# KiCad board Lotus58_Glow_125.kicad_pcb (continued)
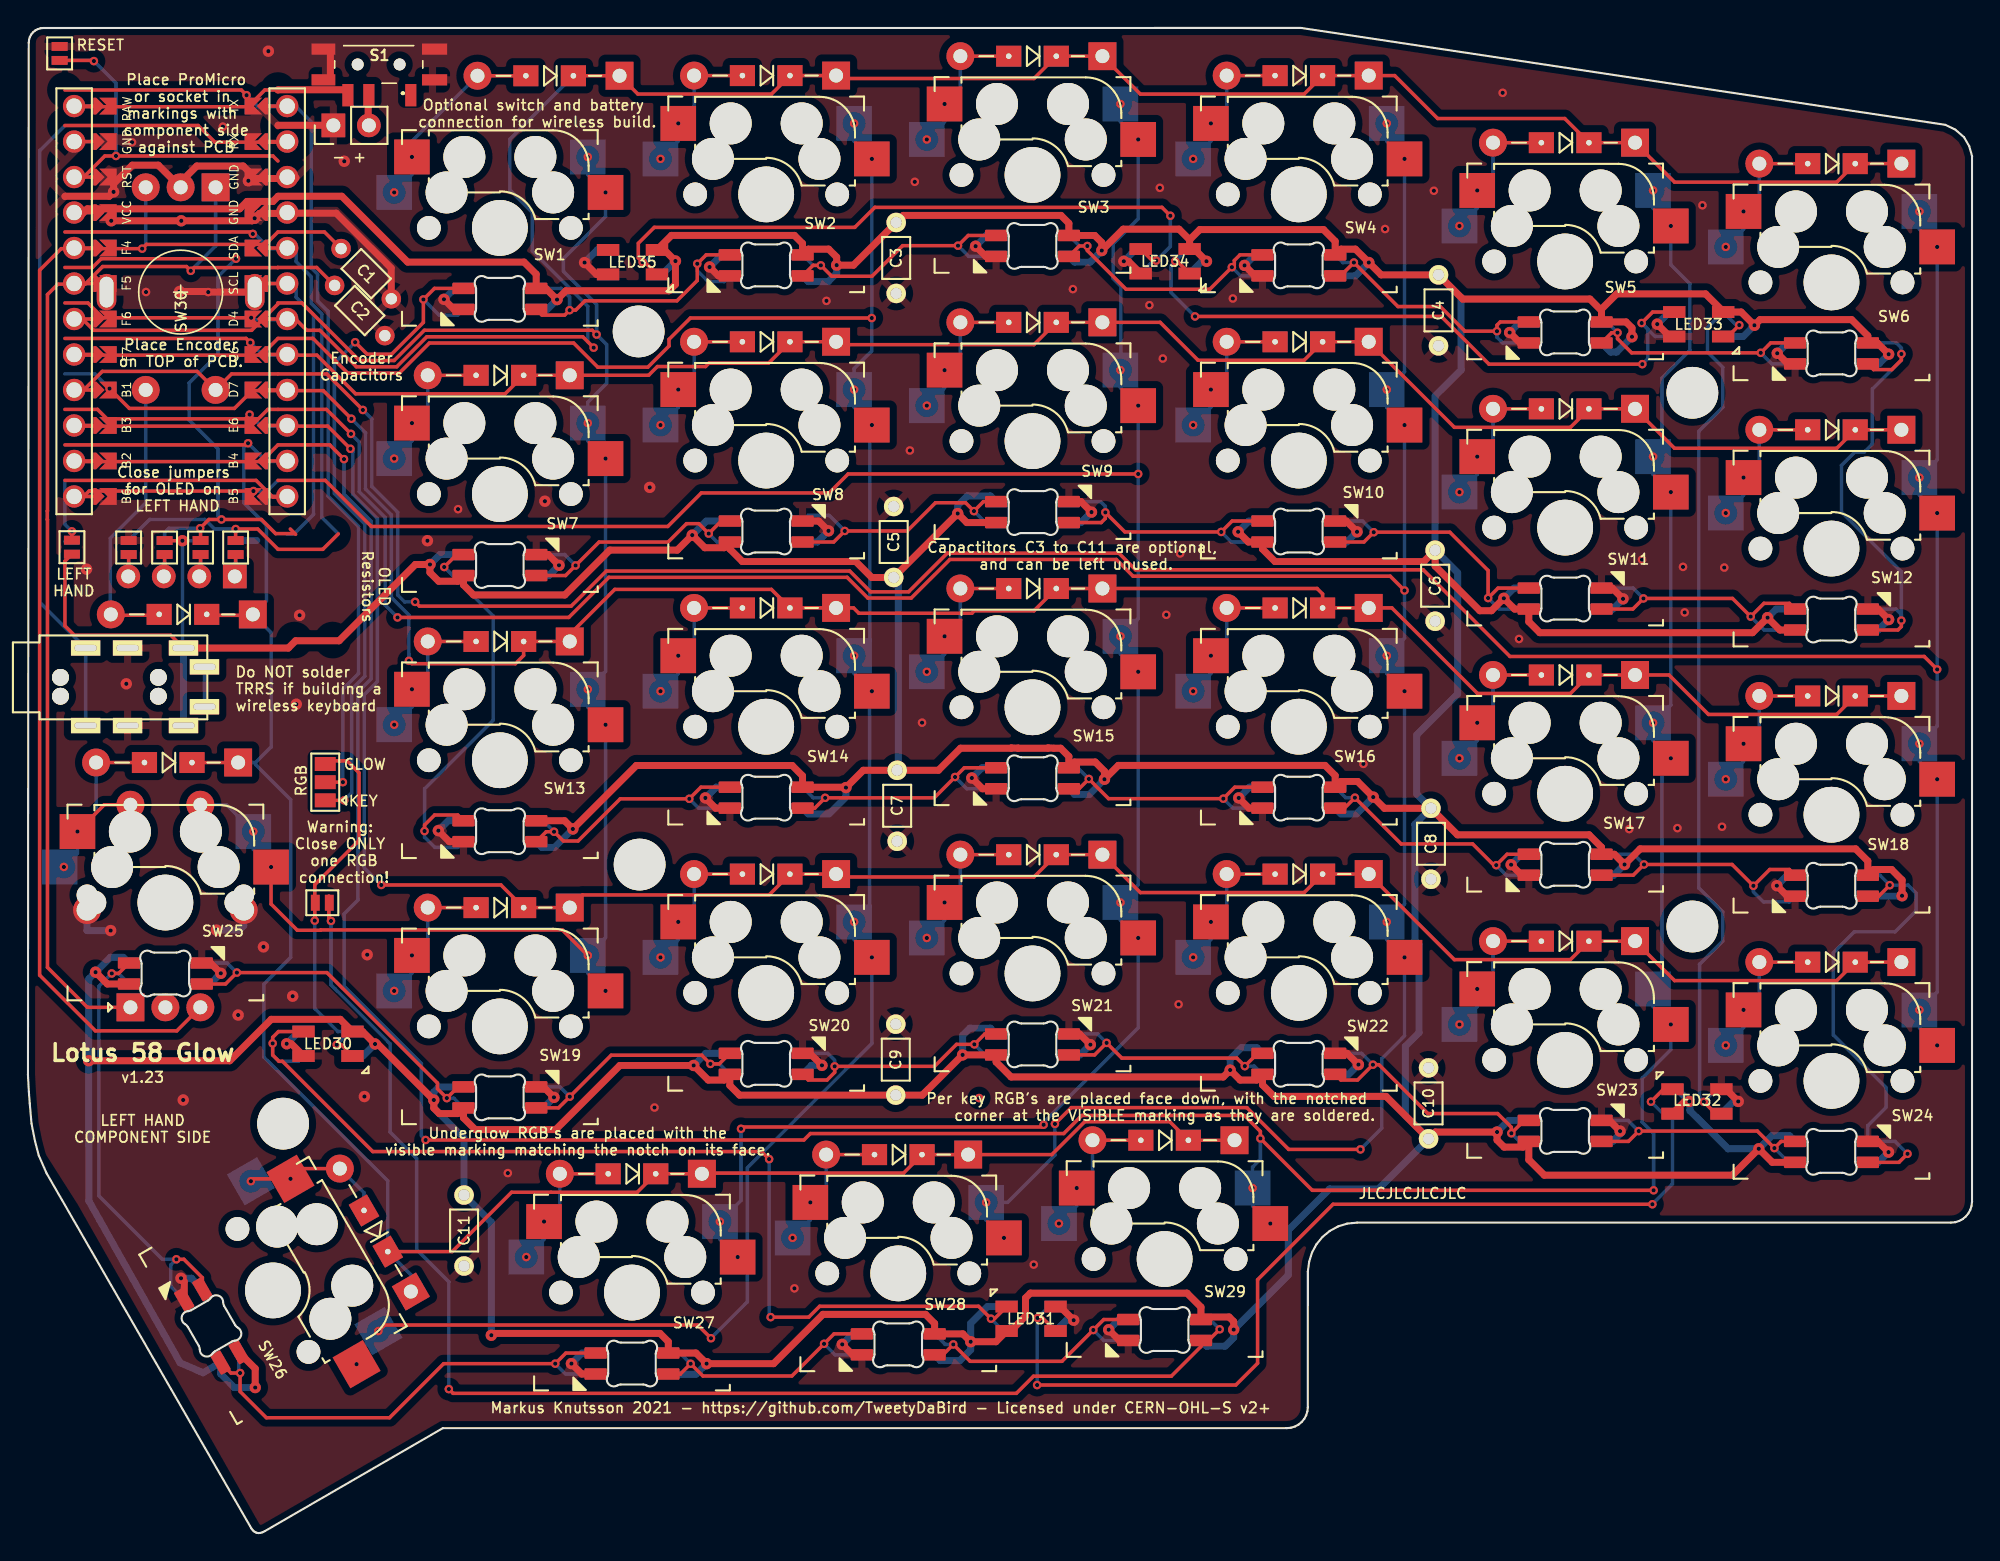
[diagram p0: board, top side]
## Routing (per net, layer and track width the routed paths; a pad name or vN(x,y) marks a point on that pad's centre or on a via; arc(x,y) is an arc through that point)
GND: length 137.7
  Top w0.25: 7.26,71.09 JP12.2
  Top w0.5: LED30.2 18.84,35.02 v2(18.51,35.02) ; v2(29.36,50.27) 30.15,49.48 LED13.3 ; v2(95.17,33.53) 94.36,34.33 LED22.3 ; v2(87.02,90.73) 87.77,89.98 LED4.3 ; LED9.3 75.33,73.82 v2(76.08,73.07) ; v2(56.8,33.47) 55.94,34.33 LED20.3 ; LED19.3 36.88,31.93 v2(37.62,31.18) ; LED7.3 37.22,70.03 v2(37.98,69.27) ; J2.1 21.84,100.76 17.9,100.76 17.88,100.74 ; LED32.2 121.46,31.77 v2(122.34,30.89) ; v2(13.8,40.06) 13.06,40.8 LED25.3 ; v2(78.39,91.03) 78.72,91.03 LED34.2 ; v2(67.51,54.04) 68.28,53.27 LED15.3 ; v2(48.76,90.62) 49.39,89.98 LED2.3 ; v2(29.76,88.3) 30.48,87.58 LED1.3 ; v2(116.54,86.53) 117.42,85.64 LED33.2 ; v2(39.81,90.93) 40.66,90.09 LED35.2 ; v2(10.95,18.24) 11.18,18.01 LED26.3 ; v2(114.1,66.87) 113.33,67.63 LED11.3 ; LED24.3 132.32,28.03 v2(133.08,27.27) ; v2(125.1,46.33) 125.85,45.58 LED18.3 ; v2(57.26,71.73) 56.56,72.43 LED8.3 ; LED3.3 68.52,91.37 v2(67.79,92.11) ; LED31.2 73.82,16.21 v2(74.8,15.23) ; v2(113.89,28.77) 113.12,29.53 LED23.3 ; v2(105.98,85.92) 106.73,85.18 LED5.3 ; 21.64,104.06 21.64,106.16 ; LED14.3 49.19,51.88 v2(48.45,52.62) ; LED6.3 125.88,83.68 v2(125.13,84.44) ; LED29.3 78.07,13.78 v2(77.3,14.55) ; v2(95.07,71.67) 94.3,72.43 LED10.3 ; LED16.3 87.34,51.88 v2(86.61,52.62) ; v2(38.87,12.13) 39.62,11.38 LED27.3 ; v2(106.09,47.84) 106.84,47.08 LED17.3 ; v2(75.99,34.96) 75.23,35.72 LED21.3 ; v2(133.1,65.38) 132.35,66.13 LED12.3 ; LED28.3 58.99,12.76 v2(58.24,13.5)
  Bottom w0.25: 14.88,71.06 JP5.2
  Bottom w0.5: v2(5.92,43.12) 4.23,43.12 4.23,43.13 4.23,43.83 ; v2(76.08,73.07) 75.33,72.32 LED9.3 ; v2(133.08,27.27) 132.35,26.53 LED24.3 ; LED32.2 122.01,30.89 v2(122.34,30.89) ; LED14.3 49.22,53.38 v2(48.45,52.62) ; JP5.2 16.37,71.04 ; v2(29.36,50.27) 30.06,50.98 LED13.3 ; LED30.2 19.38,35.89 v2(18.51,35.02) ; LED27.3 39.63,12.88 v2(38.87,12.13) ; v2(95.17,33.53) 94.47,32.83 LED22.3 ; v2(125.13,84.44) 125.87,85.18 LED6.3 ; v2(113.89,28.77) 113.89,28.56 113.36,28.03 LED23.3 ; v2(10.95,18.24) 11.69,18.24 LED26.3 ; LED2.3 49.62,91.48 v2(48.76,90.62) ; v2(133.1,65.38) 132.35,64.63 LED12.3 ; LED10.3 94.34,70.93 v2(95.07,71.67) ; LED34.2 79.26,91.9 v2(78.39,91.03) ; v2(125.1,46.33) 125.84,47.08 LED18.3 ; v2(106.09,47.84) 106.84,48.58 LED17.3 ; 15.43,43.83 15.43,43.47 15.12,43.15 v2(13.48,43.15) ; v2(29.76,88.3) 30.53,89.08 LED1.3 ; LED20.3 56.04,33.47 v2(56.8,33.47) ; LED15.3 68.24,54.77 v2(67.51,54.04) ; LED7.3 37.25,68.53 v2(37.98,69.27) ; v2(77.3,14.55) 78.04,15.28 LED29.3 ; v2(105.98,85.92) 106.74,86.68 LED5.3 ; v2(37.62,31.18) 36.88,30.43 LED19.3 ; LED35.2 40.72,91.84 v2(39.81,90.93) ; LED16.3 87.38,53.38 v2(86.61,52.62) ; LED3.3 68.55,92.87 v2(67.79,92.11) ; LED28.3 59,14.26 v2(58.24,13.5) ; LED11.3 113.36,66.13 v2(114.1,66.87) ; v2(57.26,71.73) 56.47,70.93 LED8.3 ; v2(87.02,90.73) 87.77,91.48 LED4.3 ; LED31.2 74.28,15.23 v2(74.8,15.23) ; LED21.3 75.26,34.22 v2(75.99,34.96) ; v2(116.54,86.53) 117.41,87.39 LED33.2 ; LED25.3 13.03,39.3 v2(13.8,40.06)
  vias: v1(7.45,99.54) v1(8.45,88.82) v1(13.95,100.66) v1(30.77,73.28) v1(34.33,25.76) v1(44.81,30.45) v1(54.83,17.51) v1(57.11,88.19) v1(63.08,77.48) v1(63.44,96.71) v1(63.95,58) v1(71.95,19.21) v1(74.74,89.03) v1(80.22,87.88) v1(80.97,96.28) v1(81.17,84.06) v1(81.42,65.72) v1(82.3,37.84) v1(82.42,70.11) v1(86.19,88.36) v1(95.52,55.05) v1(97.08,93.33) v1(100.57,96.07) v1(105.48,103.08) v1(106.66,63.99) v1(114.54,50.38) v1(115.45,69.67) v1(117.98,50.45) v1(118.39,69.15) v1(118.51,65.89) v1(119.77,95.03) v1(121.17,50.55) v1(121.33,69.1) v2(4.19,68.99) v2(7.04,60.78) v2(11.11,30.99) v2(15.04,37.07) v2(16.84,41.95) v2(17.2,106.06) v2(18.94,38.42) v2(19.2,59.32) v2(19.43,65.69) v2(22.62,98.18) v2(24.06,31.24) v2(24.27,41.39) v2(28.58,71.02) v2(36.98,73.85) v2(44.48,74.84)
VCC: length 931.1
  Top w0.25: v2(11.05,71.02) 9.79,71.02 JP11.2 9.8,71.06 ; J1.T 10.21,64.26 3.31,64.26 2.64,64.93 2.64,69.56 JP3.2
  Top w0.5: v2(5.95,93.92) v2(10.97,93.92) 16.04,93.92 v2(16.22,94.1) 16.56,94.45 19.16,94.45 19.18,94.47 22.05,94.47 25.98,90.53 25.98,88.35 25.99,88.34 ; LED9.1 67.16,72.32 v2(66.51,72.97) C5.1 60.36,68.39 59.21,69.54 51.1,69.54 50.2,70.43 LED8.1 49.8,70.52 48.42,70.52 v2(47.52,71.42) 46.45,70.35 41.62,70.35 38.4,67.14 31.87,67.14 31.16,67.86 LED7.1 30.75,68.12 29.38,68.12 28.76,68.75 v2(28.76,69.32) 27.72,69.32 22.26,63.86 19.15,63.86 18.63,63.34 J1.T ; LED25.1 5.68,39.3 v2(4.84,40.14) ; LED13.1 38.39,50.98 v2(38.98,50.39) 43.52,54.94 54.66,54.94 55.41,54.2 LED14.1 58.48,53.38 v2(58.51,53.36) 59.75,54.59 65.13,54.59 66.7,56.17 70.32,56.17 70.34,56.19 70.83,56.18 70.83,56.17 72.95,56.17 72.98,56.2 73.39,56.17 73.87,56.17 74.45,55.59 LED15.1 74.86,55.18 76.34,55.18 77,54.53 v2(77,53.95) 77.99,54.94 92.78,54.94 93.51,54.22 LED16.1 93.92,53.79 95.11,53.79 v2(96.23,52.68) 97.03,51.87 C8.1 102.25,49.98 111.67,49.98 112.55,49.09 LED17.1 113.47,48.58 v2(114.2,47.85) 115.32,48.97 130.73,48.97 131.61,48.1 LED18.1 132.01,47.49 133.3,47.49 134.05,46.74 v2(134.05,45.61) ; 3.94,94.47 4.25,94.78 15.14,94.78 15.67,95.31 17.53,95.31 17.9,95.68 22.45,95.68 27.16,90.97 35.48,90.97 36.36,90.1 LED1.1 37.05,89.08 v2(37.84,88.28) 38.48,88.91 45.85,88.91 46.31,89.37 v2(46.31,91.04) 45.52,91.84 LED35.4 46.03,92.88 54.82,92.88 55.41,92.3 LED2.1 55.82,91.89 57.28,91.89 57.85,91.32 v2(57.85,90.75) 59.05,90.75 C3.1 62.61,94.31 73.89,94.31 74.45,93.75 LED3.1 76.3,92.87 76.81,92.37 v2(76.81,91.79) 78.34,93.32 82.34,93.32 83.09,92.57 ; LED5.1 112.55,87.5 111.73,88.32 102.63,88.32 C4.1 96.79,90.05 v2(95.91,90.94) 94.95,91.89 93.92,91.89 LED4.1 93.51,92.46 92.67,93.3 83.82,93.3 83.09,92.57 ; LED5.1 112.55,87.6 113.64,88.69 120,88.69 121.26,87.43 LED33.4 122.55,87.39 v2(123.49,86.44) 123.9,86.85 130.44,86.85 131.61,85.69 LED6.1 132.29,85.18 v2(133.1,84.37) ; LED5.1 114.31,86.68 114.73,86.26 v2(114.73,85.62) ; LED12.1 125.32,64.63 v2(124.43,65.52) 123.36,64.44 108.14,64.44 107.36,65.23 LED11.1 106.34,66.13 v2(105.57,66.9) 104.68,66.01 103.86,66.01 100.66,69.21 C6.1 99.85,69.54 89.2,69.54 88.3,70.43 LED10.1 87.3,70.93 v2(86.57,71.67) ; v2(4.34,33.8) 14.44,33.8 17.4,36.77 22.34,36.77 LED30.4 23.93,35.89 v2(24.83,35) 25.02,35 v2(29.03,30.99) 29.03,30.42 29.42,30.02 30.75,30.02 LED19.1 31.16,29.71 31.99,28.88 37.75,28.88 42.34,33.47 v2(47.62,33.47) 48.66,32.42 49.8,32.42 LED20.1 50.2,32.04 50.9,31.34 C9.1 63.98,31.34 v2(66.86,34.22) LED21.1 69.26,33.71 70.33,32.64 85.5,32.64 v2(85.99,33.14) 86.71,32.42 87.89,32.42 LED22.1 88.3,32.08 89.13,31.25 97.14,31.25 C10.1 100.67,28.7 v2(105.08,28.7) 105.08,28.13 105.59,27.62 106.95,27.62 LED23.1 107.36,26.72 108.46,25.61 121.92,25.61 v2(123.8,27.5) 124.77,26.53 LED24.1 ; v2(118.84,30.89) 118.5,30.89 LED32.4 ; 83.09,92.57 LED34.4 83.42,91.9 v2(84.3,91.03) ; LED26.1 16.26,11.77 v2(16.26,10.41) ; 2.64,95.66 2.66,95.68 5.81,95.68 v2(6.12,95.99) 6.12,96.57 7.46,97.9 9.33,97.9 10.91,96.32 10.92,96.32 10.92,96.69 12.08,97.84 15.4,97.84 15.77,97.47 v2(15.77,96.79) 15.93,96.95 19.12,96.95 19.18,97.01 ; v2(86.25,14.56) 86.25,15.14 85.92,15.46 84.08,15.46 LED29.1 83.91,16.17 82.91,17.17 71.7,17.17 71.36,16.82 71.36,15.52 70.29,14.46 LED31.4 69.24,13.69 v2(67.44,13.69) 66.87,14.26 LED28.1 64.85,15 64.2,15.65 56.87,15.65 53.33,12.12 v2(48.55,12.12) 47.79,12.88 LED27.1 45.81,13.7 45.21,14.29 33.28,14.29 v2(33.14,14.16)
  Bottom w0.25: 12.34,71.05 JP6.2 12.33,71.02 v2(11.05,71.02) 11.05,63.42 J1.T
  Bottom w0.5: LED3.1 74.86,90.96 75.98,90.96 v2(76.81,91.79) ; v2(124.43,65.52) 125.05,66.13 LED12.1 ; C4.1 102.52,88.43 102.52,83.24 100.66,81.38 C6.1 102.27,68.73 102.27,60.05 99.34,57.13 99.34,52.89 C8.1 99.21,50.73 99.21,42.42 99.51,42.12 99.51,35.81 98.52,34.83 98.52,29.87 C10.1 96.61,24.63 93.11,24.63 90.16,21.68 90.16,18.47 v2(86.25,14.56) 86.25,13.99 85.63,13.37 84.32,13.37 LED29.1 ; v2(95.91,90.94) 94.96,89.98 LED4.1 ; LED5.1 113.21,84.53 113.64,84.53 v2(114.73,85.62) ; LED24.1 125.99,28.44 124.75,28.44 v2(123.8,27.5) 121.61,27.5 118.88,30.23 118.88,30.85 v2(118.84,30.89) 117.96,31.77 LED32.4 ; v2(58.51,53.36) 58.51,52.68 57.3,51.47 55.82,51.47 LED14.1 ; LED18.1 134.02,45.58 v2(134.05,45.61) ; v2(105.08,28.7) 105.92,29.53 LED23.1 ; v2(48.55,12.12) 47.79,11.36 45.82,11.36 LED27.1 ; v2(38.98,50.39) 37.65,49.07 36.77,49.07 LED13.1 ; LED2.1 55.82,89.57 57.25,89.57 57.85,90.17 v2(57.85,90.75) ; LED11.1 106.3,67.63 v2(105.57,66.9) ; v2(16.26,10.41) 14.77,10.41 13.78,11.4 LED26.1 12.53,11.47 12.31,11.56 10.89,12.18 5.15,22.37 4.36,23.77 v2(4.34,33.8) 4.34,39.65 v2(4.84,40.14) 5.9,41.21 6.82,41.21 LED25.1 ; v2(96.23,52.68) 95.03,51.47 93.92,51.47 LED16.1 ; LED33.4 122.69,85.64 v2(123.49,86.44) ; v2(24.83,35) 23.97,34.14 LED30.4 ; v2(37.84,88.28) 37.14,87.58 LED1.1 ; v2(85.99,33.14) 85.99,33.93 86.81,34.74 87.89,34.74 LED22.1 ; v2(84.3,91.03) 83.97,91.03 LED34.4 ; v2(77,53.95) 75.91,52.86 74.86,52.86 LED15.1 ; LED6.1 132.4,83.68 v2(133.1,84.37) ; LED20.1 48.49,34.33 v2(47.62,33.47) ; C5.1 62.26,68.06 62.26,54.67 C7.1 ; v2(86.57,71.67) 87.33,72.43 LED10.1 ; LED28.1 65.26,12.35 66.66,12.35 67.44,13.12 v2(67.44,13.69) 67.44,15.01 68.63,16.21 LED31.4 ; v2(46.31,91.04) 45.36,90.09 LED35.4 ; v2(66.86,34.22) 66.86,35.62 67.37,36.13 68.85,36.13 LED21.1 ; v2(28.76,69.32) 29.47,70.03 LED7.1 ; LED17.1 113.44,47.08 v2(114.2,47.85) ; LED8.1 48.53,72.43 v2(47.52,71.42) ; v2(66.51,72.97) 66.51,73.55 67.19,74.23 68.85,74.23 LED9.1 ; v2(33.14,14.16) 33.14,22.25 C11.1 31.2,28.25 29.03,30.42 v2(29.03,30.99) 29.03,31.57 29.4,31.93 LED19.1 ; J1.T J1.T
(no net):
  vias: v1(68.04,31.13)
/Batt: length 2.5
  Top w0.5: J2.2 24.34,100.8 24.34,103.26
A: length 84.1
  Top w0.25: SW31.A 4.25,37.63 1.4,40.48 1.4,72.54 1.38,72.55 1.38,73.15 1.4,73.16 1.4,88.64 2.14,89.39 4.08,89.39 5.34,90.65 11.34,90.65 v1(11.65,90.34) 11.88,90.57 17.87,90.57 17.88,90.58 20.65,90.58 C2.2
  Bottom w0.25: SW30.A 13.42,92.12 v1(11.65,90.34)
Alt: length 16.5
  Top w0.25: SW31.S2 5.46,52.13 v1(3.54,50.21) ; D25.2 4.88,55.15 D25.2
  Bottom w0.25: v1(2.57,47.68) 3.54,48.65 v1(3.54,50.21) 4.87,51.54 D25.2
B: length 130.7
  Top w0.25: 2.64,93.12 15.95,93.12 v1(16.09,92.98) ; SW31.B 10.65,35.94 4.83,35.94 0.83,39.93 0.83,90.39 2.38,91.93 v1(8.17,91.93) 8.47,92.23 16.99,92.23 17.88,93.12 21.21,93.12 C1.1
  Bottom w0.25: SW30.B 8.42,92.18 v1(8.17,91.93) ; 22.2,71.51 21.02,72.69 21.02,87.25 20.27,88.01 20.27,89.91 19.18,91 19.18,91.93 17.28,91.93 16.23,92.98 v1(16.09,92.98)
Battery: length 88.4
  Top w0.25: 2.64,103.28 15.27,103.28 v1(15.64,102.91) ; 17.88,103.28 16.94,103.28 15.74,102.09 3.94,102.09 ; 21.27,53.74 v1(22.53,53.74)
  Top w0.5: 17.88,103.28 17.9,103.3 22.8,103.3 22.84,103.26
  Bottom w0.25: v1(15.64,102.91) 16.46,102.09 19.18,102.09 20.27,101 20.27,90.55 20.72,90.1 20.72,88.19 21.47,87.44 21.47,74.22 23.65,72.04 23.65,61.51 22.53,60.39 v1(22.53,53.74)
col0: length 217
  Top w0.25: v1(23.95,80.38) 21.38,82.96 14.57,82.96 SW30.S2 12.1,83.14 5.32,83.14 3.94,81.77 ; v1(136.56,61.81) 135.64,62.74 106.01,62.74 99.8,68.95 79.22,68.95 78.03,70.13 65.76,70.13 63,67.37 60.27,67.37 58.78,68.85 41.37,68.85 38.86,66.34 28,66.34 v1(27.69,66.65)
  Bottom w0.25: v1(27.69,66.65) 26.94,66.65 26.45,67.14 26.45,73.06 24.59,74.91 24.59,79.74 v1(23.95,80.38) ; v1(136.56,34.9) 135.3,36.17 v1(135.3,37.44) 136.56,38.71 v1(136.56,53.95) 135.3,55.22 v1(135.3,56.49) 136.56,57.76 v1(136.56,61.81) v1(136.56,73) 135.3,74.27 v1(135.3,75.54) 136.56,76.81 v1(136.56,92.05) 135.3,93.32 v1(135.3,94.59)
col3: length 208
  Top w0.25: 3.94,74.15 4.37,74.58 v1(16.13,74.58) ; v1(79.42,75.8) 58.67,75.8 57.31,74.45 48.17,74.45 45.77,72.05 24.56,72.05 21.27,75.34 17.88,75.34 ; v1(51.01,28.93) 51.14,29.06 72.49,29.06 v1(72.65,29.22) ; 2.64,75.34 16.32,75.34 17.51,74.15 19.18,74.15
  Bottom w0.25: v1(72.65,29.22) 72.65,29.39 79.42,36.16 v1(79.42,42.59) 78.14,43.86 v1(78.14,45.13) 79.42,46.4 v1(79.42,61.64) 78.14,62.91 v1(78.14,64.18) 79.42,65.45 v1(79.42,75.8) v1(79.42,80.69) 78.14,81.96 v1(78.14,83.23) 78.18,83.27 78.18,89.22 77.62,89.78 77.62,92.27 79.42,94.07 v1(79.42,99.74) 78.14,101.01 v1(78.14,102.28) ; 17.88,75.34 17.12,74.58 v1(16.13,74.58) ; v1(51.01,28.93) 51.01,23.8 v1(49.49,22.29) 49.49,21.02 v1(50.77,19.75)
DATA: length 62.1
  Top w0.25: 19.18,99.55 13.37,99.55 12.17,100.74 2.64,100.74
  Bottom w0.25: J1.R2 J1.R2 0.84,66.63 0.84,98.95 2.64,100.74
Hand: length 5.2
  Top w0.25: JP3.1 3.14,71.69 v1(3.15,71.69)
  Bottom w0.25: 2.67,70.96 2.64,70.98 ; 2.64,75.34 2.64,72.2 v1(3.15,71.69) 3.14,71.69 JP3.1
RESET: length 27.1
  Top w0.25: 3.94,97.01 5.5,98.56 v1(6.3,98.56) 17.52,98.56 17.88,98.2 ; JP2.1 4.67,105.4 v1(4.72,105.35)
  Bottom w0.25: JP2.1 4.67,105.4 v1(4.72,105.35) 6.3,103.77 v1(6.3,98.56)
RGB_GLOW: length 27.4
  Top w0.25: JP16.3 21.49,55.27 22.82,55.27 23.68,54.41 23.68,49.58 20.52,46.41 v1(20.52,43.83) ; v1(22.08,34.95) 22.41,34.95 LED30.3
  Bottom w0.25: v1(22.08,34.95) 23.03,35.89 LED30.3 22.16,35.89 20.52,37.54 v1(20.52,43.83)
RGB_KEY: length 50.8
  Top w0.25: JP16.1 v1(22.62,52.44) ; v1(23.41,85.23) 24.27,84.37 26.01,84.37 28.29,86.65 v1(28.29,88.29) 29.08,89.08 LED1.4
  Bottom w0.25: v1(23.41,85.23) 21.92,83.75 21.92,74.41 24.1,72.23 24.1,61.33 23.15,60.39 23.15,52.97 v1(22.62,52.44) ; v1(28.29,88.29) 29.41,87.17 30.75,87.17 LED1.4
RGB_LINK: length 97.9
  Top w0.25: v1(85.24,14.58) 84.45,13.78 LED29.2 83.91,13.35 81.78,11.22 71.92,11.22 70.7,10 30.41,10 v1(30.11,10.3) ; v1(21.67,43.81) 21.53,43.96 21.53,45.59
  Bottom w0.25: v1(21.67,43.81) 21.67,39.24 25.91,35.01 25.91,28.7 27.81,26.8 27.81,20.28 30.11,17.98 v1(30.11,10.3) ; LED29.2 84.55,15.28 v1(85.24,14.58)
row0: length 332.8
  Top w0.25: D6.1 130.71,98.02 D6.1 129.38,96.69 117.78,96.69 D5.1 111.66,99.52 D5.1 109.92,101.24 100.83,101.24 97.76,104.32 D4.1 92.61,104.32 D4.1 91.28,102.99 79.57,102.99 D3.1 73.56,105.71 D3.1 71.96,104.11 58.01,104.11 D2.1 54.51,104.32 D2.1 53.18,102.99 43.63,102.99 D1.1 39.02,104.31 D1.1 ; 19.18,86.85 19.94,86.09 20.88,86.09 23.49,83.47 26.38,83.47 28.53,85.62 39.69,85.62 v1(40.47,84.84) ; 3.94,86.85 4.7,86.09 16,86.09 17.88,87.97 17.88,88.04 19.59,88.04 23.71,83.92 26.19,83.92 28.36,86.09 40.37,86.09 v1(40.67,85.78) ; v1(40.05,41.34) 38.22,43.17 20.95,43.17 20.93,43.14 19.26,43.14 17.39,45.02 v1(17.39,47.67) ; 2.64,88.04 4.29,88.04 5.35,86.98 v1(15.97,86.98)
  Top w0.5: 16.22,88.82 v1(12.9,88.82) 12.85,88.86 v2(10.84,88.86)
  Bottom w0.25: 18.91,71.49 18.52,71.49 ; 19.18,86.85 16.1,86.85 v1(15.97,86.98) ; 19.06,71.53 20.42,72.9 20.42,87.21 19.18,88.46 19.18,89.39 ; v1(41.31,38.8) 40.05,40.07 v1(40.05,41.34) 41.31,42.61 v1(41.31,57.85) 40.05,59.12 v1(40.05,60.39) 41.31,61.66 v1(41.31,76.9) 40.05,78.17 v1(40.05,79.44) 40.05,80.94 41.39,82.29 41.39,85.06 v1(40.67,85.78) 40.67,87.93 38.31,90.3 38.31,91.22 41.31,94.23 v1(41.31,95.95) 40.05,97.22 v1(40.05,98.49) ; 12.33,52.13 14.2,52.13 v1(16.12,50.21) 16.12,48.94 v1(17.39,47.67) ; D1.1 34.47,99.76 34.47,96.13 36.07,94.53 36.07,91.77 40.05,87.8 40.05,85.26 v1(40.47,84.84)
row1: length 325.8
  Top w0.25: v1(25.07,14.46) 25.5,14.89 47.91,14.89 v1(48.86,13.94) ; 19.18,84.31 20.67,84.31 23.43,81.54 34.13,81.54 D7.1 35.46,82.87 D7.1 44.4,82.87 45.02,83.49 48.47,83.49 48.71,83.74 52.98,83.74 D8.1 54.51,85.27 D8.1 58.01,85.06 71.96,85.06 D9.1 73.56,86.66 D9.1 80.98,86.66 83.7,83.94 91.28,83.94 D10.1 92.61,85.27 D10.1 102.03,79.14 110.33,79.14 D11.1 111.66,80.47 D11.1 117.78,77.64 129.38,77.64 D12.1 130.71,78.97 D12.1 ; v1(15.91,85.2) 15.61,85.5 2.64,85.5 ; 3.94,84.31 16.69,84.31 17.88,85.5 20.39,85.5 22.87,83.02 26.56,83.02 28.71,85.17 39.03,85.17 40.76,83.44 44.34,83.44 45.86,84.96 45.86,85.44 47.38,86.96 v1(60.36,86.96)
  Bottom w0.25: v1(15.91,85.2) 16.8,84.31 19.18,84.31 ; v1(59.1,100.89) 59.1,99.62 v1(60.36,98.35) 60.36,86.95 v1(60.36,86.96) 60.36,84.6 59.1,83.34 v1(59.1,81.84) 59.1,80.57 v1(60.36,79.3) 60.22,79.16 60.22,63.92 v1(59.1,62.79) 59.1,61.52 v1(60.36,60.25) 60.2,60.09 60.2,44.85 v1(59.1,43.74) 59.1,42.47 v1(60.36,41.2) 60.36,35.05 51.46,26.14 51.46,16.55 v1(48.86,13.94) ; v1(25.07,14.46) 23.51,12.89 v1(23.51,12.09)
row2: length 159.2
  Top w0.25: D18.1 130.71,59.92 D18.1 129.38,58.59 120.21,58.59 117.38,61.42 D17.1 111.66,61.42 D17.1 110.33,60.09 103.69,60.09 97.56,66.22 D16.1 92.61,66.22 D16.1 92.61,67.21 92.21,67.61 D15.1 73.56,67.61 D15.1 71.96,66.01 67.69,66.01 67.52,65.83 59.44,65.83 59.05,66.22 D14.1 54.51,66.22 D14.1 53.18,67.54 41.97,67.54 38.76,64.32 D13.1 35.46,63.82 D13.1 35.45,62.81 34.87,62.22 27.45,62.22 v1(27.25,62.43) ; v1(5.84,81.91) 7.25,80.49 14.77,80.49 16.04,81.77 21.12,81.77 v1(23.14,79.75)
  Bottom w0.25: v1(23.14,79.75) 24.14,78.74 24.14,74.73 25.99,72.88 25.99,66.96 27.25,65.7 v1(27.25,62.43) ; 2.64,82.96 4.79,82.96 v1(5.84,81.91)
row3: length 396.8
  Top w0.25: v1(95.31,27.46) 90.18,27.46 87.19,30.45 74.62,30.45 v1(73.46,29.28) ; v1(23.07,77.6) 21.44,79.23 19.18,79.23 ; 3.94,79.23 15.96,79.23 17.16,80.42 21.36,80.42 v1(23.11,78.67) ; v1(15.86,80.05) 15.55,79.75 5.65,79.75 4.98,80.42 2.64,80.42 ; v1(26.44,65.53) 38.69,65.53 41.56,68.4 58.6,68.4 60.08,66.92 63.18,66.92 65.95,69.68 77.85,69.68 79.05,68.48 97.45,68.48 v1(98.47,67.46) ; D24.1 130.71,40.87 D24.1 129.38,39.54 117.78,39.54 D23.1 111.66,42.37 D23.1 110.33,41.04 102.03,41.04 D22.1 92.61,47.17 D22.1 91.28,45.84 79.57,45.84 D21.1 73.56,48.56 D21.1 71.96,46.96 58.01,46.96 D20.1 54.51,47.17 D20.1 53.01,45.67 39.66,45.67 D19.1 35.46,44.77 D19.1 33.83,46.39 v1(25.27,46.39)
  Bottom w0.25: v1(69.81,21.13) 68.54,22.4 v1(68.54,23.67) 70.07,23.67 73.46,27.06 v1(73.46,29.28) ; v1(25.27,46.39) 24.06,47.6 24.06,60.01 25,60.95 25,72.6 23.24,74.35 23.24,77.42 v1(23.07,77.6) ; v1(97.2,100.89) 97.2,99.62 v1(98.47,98.35) 98.47,83.11 v1(97.2,81.84) 97.2,80.57 v1(98.47,79.3) v1(98.47,67.46) 98.47,64.06 v1(97.2,62.79) 97.2,61.52 v1(98.47,60.25) 98.47,45.01 v1(97.2,43.74) 97.2,42.47 v1(98.47,41.2) 98.47,35.59 96.83,33.96 96.83,28.98 v1(95.31,27.46) ; 19.18,79.23 16.68,79.23 v1(15.86,80.05) ; v1(23.11,78.67) 23.69,78.08 23.69,74.54 25.54,72.69 25.54,66.42 v1(26.44,65.53)
row4: length 407.2
  Top w0.25: 2.64,77.88 15.62,77.88 v1(15.75,78) ; 3.94,76.69 16.69,76.69 17.88,77.88 21.59,77.88 v1(22.61,76.87) ; v1(116.28,24.53) 91.87,24.53 v1(88.16,28.24) 88.16,28.75 87.01,29.89 75.39,29.89 74.09,28.59 55.96,28.59 55.51,28.13 v1(28.45,28.13) ; D25.1 15.03,55.15 D25.1 ; 12.75,65.69 12.75,65.69 16.05,65.69 ; D26.1 30.35,20.14 34.59,24.39 43.58,24.39 D27.1 44.91,25.72 D27.1 48.25,25.76 62.63,25.76 D28.1 67.25,27.09 D28.1 73.24,27.09 75.59,29.44 81.68,29.44 D29.1 86.3,28.11 D29.1
  Bottom w0.25: 19.18,76.69 17.06,76.69 v1(15.75,78) 15.44,77.7 15.44,73.74 17.06,72.13 17.06,66.72 D30.1 17.4,64.44 17.4,56.27 16.28,55.15 ; v1(22.61,76.87) 22.61,74.36 24.55,72.42 24.55,61.14 23.6,60.2 23.6,45.31 22.62,44.32 22.62,39.13 28.14,33.61 28.14,28.44 v1(28.45,28.13) ; D26.1 27.39,18.49 D26.1 25.74,25.2 16.87,34.06 16.87,39.28 18.8,41.2 18.8,52.49 16.28,55 16.28,55.15 ; v1(88.16,28.24) 88.16,26.75 87.6,26.19 v1(87.6,24.69) 87.6,23.42 v1(88.86,22.15) ; v1(116.24,96.09) 116.24,94.82 v1(117.52,93.55) 117.52,90.78 118.88,89.42 118.88,84.66 116.88,82.66 116.88,77.68 v1(116.24,77.04) 116.24,75.77 v1(117.52,74.5) 117.52,59.26 v1(116.24,57.99) 116.24,56.72 v1(117.52,55.45) 116.88,54.82 116.88,39.58 116.24,38.94 116.24,37.67 v1(117.52,36.4) 117.52,34.6 115.47,32.55 115.47,29.42 116.28,28.6 v1(116.28,24.53) ; 15.34,55.15 D25.1 16.28,55.15
SCL: length 45.6
  Top w0.25: 19.06,71.53 17.72,71.53 16.7,72.55 v1(13.84,72.55) 12.95,72.55 v1(12.32,71.92) 12.35,71.89 JP10.2 12.34,71.05 ; v1(14.88,91.21) 5.24,91.21 4.61,90.58 2.64,90.58 ; 18.77,71.86 19.15,71.48
  Bottom w0.25: v1(12.32,71.92) 10.09,71.92 9.77,71.61 JP7.2 9.8,71.06 ; v1(13.84,72.55) 13.59,72.79 13.59,77.59 11.53,79.66 11.53,82.31 13.59,84.38 13.59,89.92 v1(14.88,91.21)
SDA: length 17.9
  Top w0.25: 14.88,71.06 JP9.2 14.85,71.86 v1(14.86,71.86) 16.44,71.86 17.89,70.41 21.09,70.41 22.2,71.51
  Bottom w0.25: v1(14.86,71.86) 13.34,71.86 12.65,72.55 8.71,72.55 JP8.2 7.26,71.09
Net-(D1-Pad2): length 14.3
  Top w0.25: D1.2 32.16,104.3 D1.2
  Bottom w0.25: v1(26.2,95.95) 27.47,97.22 v1(27.47,98.49) 27.47,99.62 D1.2
Net-(D2-Pad2): length 10.4
  Top w0.25: D2.2 47.65,104.32 D2.2
  Bottom w0.25: v1(45.25,98.35) 46.52,99.62 v1(46.52,100.89) 47.64,102.02 D2.2
Net-(D3-Pad2): length 10.4
  Top w0.25: D3.2 66.7,105.7 D3.2
  Bottom w0.25: v1(64.3,99.74) 65.57,101.01 v1(65.57,102.28) 66.7,103.41 D3.2
Net-(D4-Pad2): length 10.4
  Top w0.25: D4.2 85.75,104.31 D4.2
  Bottom w0.25: D4.2 85.74,102.02 v1(84.61,100.89) 84.61,99.62 v1(83.35,98.35)
Net-(D5-Pad2): length 10.4
  Top w0.25: D5.2 104.8,99.51 D5.2
  Bottom w0.25: D5.2 104.8,97.22 v1(103.67,96.09) 103.67,94.82 v1(102.39,93.55)
Net-(D6-Pad2): length 10.4
  Top w0.25: D6.2 123.85,98.01 D6.2
  Bottom w0.25: v1(121.45,92.05) 122.72,93.32 v1(122.72,94.59) 123.85,95.72 D6.2
Net-(D7-Pad2): length 10.4
  Top w0.25: D7.2 28.6,82.86 D7.2
  Bottom w0.25: D7.2 28.59,80.57 v1(27.47,79.44) 27.47,78.17 v1(26.2,76.9)
Net-(D8-Pad2): length 10.4
  Top w0.25: D8.2 47.65,85.26 D8.2
  Bottom w0.25: v1(45.25,79.3) 46.52,80.57 v1(46.52,81.84) 47.64,82.97 D8.2
Net-(D9-Pad2): length 10.4
  Top w0.25: D9.2 66.7,86.65 D9.2
  Bottom w0.25: D9.2 66.7,84.36 v1(65.57,83.23) 65.57,81.96 v1(64.3,80.69)
Net-(D10-Pad2): length 10.4
  Top w0.25: D10.2 85.75,85.26 D10.2
  Bottom w0.25: D10.2 85.74,82.97 v1(84.61,81.84) 84.61,80.57 v1(83.35,79.3)
Net-(D11-Pad2): length 10.4
  Top w0.25: D11.2 104.8,80.46 D11.2
  Bottom w0.25: v1(102.39,74.5) 103.67,75.77 v1(103.67,77.04) 104.8,78.17 D11.2
Net-(D12-Pad2): length 10.4
  Top w0.25: D12.2 123.85,78.96 D12.2
  Bottom w0.25: D12.2 123.85,76.67 v1(122.72,75.54) 122.72,74.27 v1(121.45,73)
Net-(D13-Pad2): length 10.4
  Top w0.25: D13.2 28.6,63.81 D13.2
  Bottom w0.25: v1(26.2,57.85) 27.47,59.12 v1(27.47,60.39) 28.59,61.52 D13.2
Net-(D14-Pad2): length 10.4
  Top w0.25: D14.2 47.65,66.21 D14.2
  Bottom w0.25: D14.2 47.64,63.92 v1(46.52,62.79) 46.52,61.52 v1(45.25,60.25)
Net-(D15-Pad2): length 10.4
  Top w0.25: D15.2 66.7,67.6 D15.2
  Bottom w0.25: v1(64.3,61.64) 65.57,62.91 v1(65.57,64.18) 66.7,65.31 D15.2
Net-(D16-Pad2): length 10.4
  Top w0.25: D16.2 85.75,66.21 D16.2
  Bottom w0.25: v1(83.35,60.25) 84.61,61.52 v1(84.61,62.79) 85.74,63.92 D16.2
Net-(D17-Pad2): length 10.4
  Top w0.25: D17.2 104.8,61.41 D17.2
  Bottom w0.25: v1(102.39,55.45) 103.67,56.72 v1(103.67,57.99) 104.8,59.12 D17.2
Net-(D18-Pad2): length 10.4
  Top w0.25: D18.2 123.85,59.91 D18.2
  Bottom w0.25: D18.2 123.85,57.62 v1(122.72,56.49) 122.72,55.22 v1(121.45,53.95)
Net-(D19-Pad2): length 10.4
  Top w0.25: D19.2 28.6,44.76 D19.2
  Bottom w0.25: D19.2 28.59,42.47 v1(27.47,41.34) 27.47,40.07 v1(26.2,38.8)
Net-(D20-Pad2): length 10.4
  Top w0.25: D20.2 51.1,47.17 D20.2
  Bottom w0.25: D20.2 47.64,44.87 v1(46.52,43.74) 46.52,42.47 v1(45.25,41.2)
Net-(D21-Pad2): length 10.4
  Top w0.25: D21.2 66.7,48.55 D21.2
  Bottom w0.25: v1(64.3,42.59) 65.57,43.86 v1(65.57,45.13) 66.7,46.26 D21.2
Net-(D22-Pad2): length 10.4
  Top w0.25: D22.2 85.75,47.16 D22.2
  Bottom w0.25: v1(83.35,41.2) 84.61,42.47 v1(84.61,43.74) 85.74,44.87 D22.2
Net-(D23-Pad2): length 10.6
  Top w0.25: D23.2 104.8,42.36 D23.2 108.26,42.52
  Bottom w0.25: v1(102.39,36.4) 103.67,37.67 v1(103.67,38.94) 104.8,40.07 D23.2
Net-(D24-Pad2): length 10.4
  Top w0.25: D24.2 123.85,40.86 D24.2
  Bottom w0.25: D24.2 123.85,38.57 v1(122.72,37.44) 122.72,36.17 v1(121.45,34.9)
Net-(D26-Pad2): length 10.5
  Top w0.25: D26.2 19.51,26.09 v1(18.78,25.35) 16.12,25.35 v1(15.95,25.18)
  Bottom w0.25: D26.2 24.04,24.36 D26.2
Net-(D27-Pad2): length 10.4
  Top w0.25: D27.2 38.05,25.71 D27.2
  Bottom w0.25: v1(35.65,19.75) 36.92,21.02 v1(36.92,22.29) 38.05,23.42 D27.2
Net-(D28-Pad2): length 10.4
  Top w0.25: D28.2 60.55,27.09 D28.2
  Bottom w0.25: v1(54.69,21.13) 55.96,22.4 v1(55.96,23.67) 57.09,24.8 D28.2
Net-(D29-Pad2): length 10.4
  Top w0.25: D29.2 79.6,28.12 D29.2
  Bottom w0.25: D29.2 76.14,25.82 v1(75.02,24.69) 75.02,23.42 v1(73.74,22.15)
Net-(D30-Pad2): length 20.6
  Top w0.25: 5.89,65.69 5.89,65.69 9.35,65.69
  Bottom w0.25: 5.89,65.69 5.89,71.2 8.42,73.73 SW30.S1
Net-(JP5-Pad1): length 3.2
  Top w0.25: JP9.1 14.85,68.53 P1.1
  Bottom w0.25: P1.1 14.85,68.53 JP9.1
Net-(JP10-Pad1): length 3.2
  Top w0.25: JP10.1 12.35,68.56 P1.2
  Bottom w0.25: P1.2 12.35,68.56 JP10.1
Net-(JP11-Pad1): length 3.2
  Top w0.25: P1.3 9.77,68.53 JP11.1
  Bottom w0.25: JP11.1 9.77,68.53 P1.3
Net-(JP12-Pad1): length 3.2
  Top w0.25: P1.4 7.2,68.5 JP12.1
  Bottom w0.25: P1.4 7.2,68.5 JP12.1
Net-(LED1-Pad2): length 23.4
  Top w0.25: LED2.4 48.51,91.48 v1(47.87,90.85) 47.87,89.65 46.42,88.2 39.85,88.2 39.18,87.53 v1(38.74,87.53) 38.39,87.17 36.77,87.17 LED1.2
  Bottom w0.25: LED1.2 38.13,89.08 38.74,88.47 v1(38.74,87.53) ; LED2.4 49.8,89.57 48.66,89.57 47.87,90.36 v1(47.87,90.85)
Net-(LED2-Pad2): length 20.4
  Top w0.25: LED2.2 56.16,90.73 v1(56.72,90.73) 57.5,89.95 60.38,89.95 62.57,92.14 v1(66.52,92.14) 67.26,92.87 LED3.4
  Bottom w0.25: LED2.2 56.15,90.73 v1(56.72,90.73) ; v1(66.52,92.14) 67.3,91.37 LED3.4
Net-(LED3-Pad2): length 20.9
  Top w0.25: LED4.4 86.69,91.48 86.29,91.08 86.29,90.78 v1(86.11,90.6) 84.54,89.02 78.55,89.02 75.78,91.79 v1(75.78,92.12) 75.2,92.12 LED3.2
  Bottom w0.25: v1(75.78,92.12) 75.21,92.12 LED3.2 ; LED4.4 86.74,89.98 v1(86.11,90.6)
Net-(LED4-Pad2): length 21.2
  Top w0.25: LED4.2 93.89,89.98 v1(94.84,90.94) 98,87.78 101.02,87.78 102.78,86.02 v1(105.08,86.02) 105.08,86.45 105.31,86.68 LED5.4
  Bottom w0.25: LED4.2 94.05,90.94 v1(94.84,90.94) ; LED5.4 105.48,85.18 105.08,85.59 v1(105.08,86.02)
Net-(LED5-Pad2): length 19.5
  Top w0.25: LED5.2 113.29,85.91 v1(113.7,85.91) 113.7,85.48 114.71,84.47 v1(123.95,84.47) 124.66,85.18 LED6.4
  Bottom w0.25: LED6.4 124.74,83.68 v1(123.95,84.47) ; v1(113.7,85.91) 112.93,86.68 LED5.2
Net-(LED7-Pad4): length 21
  Top w0.25: LED7.4 38.45,68.53 v1(39.17,69.25) 40.85,70.93 45.79,70.93 47.1,72.25 47.98,72.25 v1(48.69,71.54) 49.59,72.43 LED8.2
  Bottom w0.25: LED8.2 49.29,70.93 v1(48.69,71.54) ; LED7.4 38.39,70.03 v1(39.17,69.25)
Net-(LED8-Pad4): length 21.1
  Top w0.25: LED9.2 68.35,73.82 v1(67.67,73.14) 67.07,73.74 64.92,73.74 62.89,71.72 v1(58.42,71.72) 57.64,70.93 LED8.4
  Bottom w0.25: v1(67.67,73.14) 68.48,72.32 LED9.2 ; v1(58.42,71.72) 57.3,72.84 55.82,72.84 LED8.4
Net-(LED10-Pad2): length 21.7
  Top w0.25: LED9.4 76.77,72.32 77.07,72.62 v1(77.07,73.05) 78.47,71.65 v1(85.36,71.65) 86.14,72.43 LED10.2
  Bottom w0.25: v1(85.36,71.65) 86.07,70.93 LED10.2 ; v1(77.07,73.05) 77.07,73.49 76.73,73.82 LED9.4
Net-(LED10-Pad4): length 23.9
  Top w0.25: LED11.2 105.16,67.63 v1(104.45,66.92) 104.45,68.89 101.7,71.63 v1(96.27,71.63) 95.57,70.93 LED10.4
  Bottom w0.25: v1(104.45,66.92) 105.23,66.13 LED11.2 ; v1(96.27,71.63) 95.46,72.43 LED10.4
Net-(LED11-Pad4): length 22.1
  Top w0.25: LED12.2 125.99,66.54 124.18,66.54 v1(123.23,65.59) 121.93,66.89 v1(115.55,66.89) 114.8,66.13 LED11.4
  Bottom w0.25: v1(115.55,66.89) 114.81,67.63 LED11.4 ; LED12.2 124.19,64.63 v1(123.23,65.59)
Net-(LED12-Pad4): length 35.2
  Top w0.25: v1(134,65.31) 134,64.88 133.76,64.63 LED12.4 ; LED6.2 132.01,83.27 133.32,83.27 134.01,83.96 v1(134.01,84.39)
  Bottom w0.25: LED6.2 133.64,85.18 134.01,84.82 v1(134.01,84.39) 134.01,83.96 131.93,81.88 131.93,77.95 131.35,77.37 130.67,77.37 129.72,76.42 129.72,73.09 134,68.81 v1(134,65.31) 134,65.74 133.61,66.13 LED12.4
Net-(LED13-Pad2): length 20.8
  Top w0.25: LED13.2 37.07,50.2 v1(37.63,50.2) 38.3,49.53 39.35,49.53 42.37,52.55 v1(47.31,52.55) 48.14,53.38 LED14.4
  Bottom w0.25: v1(37.63,50.2) 36.84,50.98 LED13.2 ; v1(47.31,52.55) 47.98,51.88 LED14.4
Net-(LED13-Pad4): length 33.1
  Top w0.25: LED7.2 30.67,70.03 v1(29.78,69.14) ; v1(28.37,50.24) 28.37,50.67 29.09,51.39 30.75,51.39 LED13.4
  Bottom w0.25: LED13.4 30.75,49.07 29.11,49.07 28.37,49.81 v1(28.37,50.24) 28.37,53.27 33.28,58.18 33.28,65.64 v1(29.78,69.14) 30.38,68.53 LED7.2
Net-(LED14-Pad2): length 20.3
  Top w0.25: LED14.2 56.29,51.88 v1(57.02,52.62) 64.83,52.62 v1(66.32,54.11) 66.98,54.77 LED15.4
  Bottom w0.25: LED15.4 67.16,53.27 v1(66.32,54.11) ; LED14.2 56.16,52.62 v1(57.02,52.62)
Net-(LED15-Pad2): length 19.9
  Top w0.25: LED15.2 75.19,53.27 v1(75.89,53.97) 77.3,52.56 v1(85.51,52.56) 86.33,53.38 LED16.4
  Bottom w0.25: v1(85.51,52.56) 86.19,51.88 LED16.4 ; LED15.2 75.09,54.77 v1(75.89,53.97)
Net-(LED16-Pad2): length 20.8
  Top w0.25: LED17.4 105.8,48.58 v1(105.02,47.8) 104.86,47.8 103.33,49.32 98.23,49.32 v1(94.92,52.63) 94.17,51.88 LED16.2
  Bottom w0.25: LED17.4 105.75,47.08 v1(105.02,47.8) ; LED16.2 94.25,52.63 v1(94.92,52.63)
Net-(LED17-Pad2): length 22.7
  Top w0.25: LED17.2 114.83,47.08 v1(115.6,47.85) 121.89,47.85 v1(123.42,46.32) 124.59,47.49 125.99,47.49 LED18.4
  Bottom w0.25: v1(123.42,46.32) 123.42,45.89 124.14,45.17 125.99,45.17 LED18.4 ; LED17.2 114.87,48.58 v1(115.6,47.85)
Net-(LED18-Pad2): length 36.2
  Top w0.25: LED24.4 133.83,26.53 v1(134.44,27.14) ; v1(133.18,46.37) 132.38,45.58 LED18.2
  Bottom w0.25: v1(134.44,27.14) 133.55,28.03 LED24.4 131.61,29.16 132.91,30.47 132.91,31.88 129.13,35.65 129.13,41.53 130.64,43.03 133.55,43.03 135.06,44.54 135.06,45.8 134.49,46.37 v1(133.18,46.37) 132.47,47.08 LED18.2
Net-(LED19-Pad2): length 27.6
  Top w0.25: LED25.4 14.13,39.3 v1(14.95,40.11) 21.39,40.11 29.3,32.2 29.3,31.8 v1(29.96,31.13) 30.76,31.93 LED19.2
  Bottom w0.25: v1(14.95,40.11) 14.94,40.11 14.25,40.8 LED25.4 ; v1(29.96,31.13) 30.46,31.13 LED19.2
Net-(LED19-Pad4): length 20.4
  Top w0.25: LED19.4 37.95,30.43 v1(38.76,31.23) 41.72,34.2 48.2,34.2 v1(48.82,33.58) 49.45,33.58 LED20.2
  Bottom w0.25: v1(48.82,33.58) 49.46,33.58 LED20.2 ; v1(38.76,31.23) 38.05,31.93 LED19.4
Net-(LED20-Pad4): length 20.4
  Top w0.25: LED20.4 55.82,32.42 57.15,32.42 57.7,32.97 v1(57.7,33.4) 64.85,33.4 66.42,34.98 v1(67.7,34.98) 68.44,35.72 LED21.2
  Bottom w0.25: LED20.4 57.2,34.33 57.7,33.84 v1(57.7,33.4) ; v1(67.7,34.98) 68.45,34.22 LED21.2
Net-(LED21-Pad4): length 19.7
  Top w0.25: LED22.2 87.96,34.33 v1(87.04,33.42) 86.47,33.99 78.24,33.99 v1(77.16,35.08) 76.3,34.22 LED21.4
  Bottom w0.25: v1(77.16,35.08) 76.51,35.72 LED21.4 ; LED22.2 87.72,33.42 v1(87.04,33.42)
Net-(LED22-Pad4): length 21.7
  Top w0.25: LED23.2 107.02,29.53 v1(106.11,28.61) 106.11,29.05 105.13,30.02 100.14,30.02 96.64,33.52 v1(96.2,33.52) 95.11,32.42 93.92,32.42 LED22.4
  Bottom w0.25: v1(106.11,28.61) 106.68,28.03 LED23.2 ; LED22.4 95.39,34.33 v1(96.2,33.52)
Net-(LED23-Pad4): length 19.7
  Top w0.25: LED24.2 125.4,28.03 v1(124.92,27.55) 123.71,28.77 v1(115.22,28.77) 114.48,28.03 LED23.4
  Bottom w0.25: LED23.4 114.45,29.53 v1(115.22,28.77) ; LED24.2 125.94,26.53 v1(124.92,27.55)
Net-(LED25-Pad2): length 33.5
  Top w0.25: LED25.2 6.48,40.05 v1(5.99,40.05) ; LED26.4 12.48,18.27 11.16,19.59 v1(10.62,19.59)
  Bottom w0.25: LED26.4 10.22,17.67 10.22,19.19 v1(10.62,19.59) 9.62,19.59 5.08,24.13 5.08,39.13 v1(5.99,40.05) 6.47,40.05 LED25.2
Net-(LED26-Pad2): length 35.9
  Top w0.25: LED26.2 14.52,11.45 v1(15.17,11.45) 15.17,10.13 17.05,8.25 25.87,8.25 29.73,12.12 v1(37.72,12.12) 38.48,12.88 LED27.4
  Bottom w0.25: LED27.4 38.46,11.38 v1(37.72,12.12) ; LED26.2 15.08,11.55 v1(15.17,11.45)
